# Altium PCB iobrd_dig.PcbDoc
Units mm, origin at the board's own origin, x right, y up, seen from the top; angles counter-clockwise.
Board outline 68.58 x 106.81 mm, 2 copper layers (Top Layer, Bottom Layer), stack 1.671 mm thick; 62 components, 47 nets, 312 pads, 73 vias.
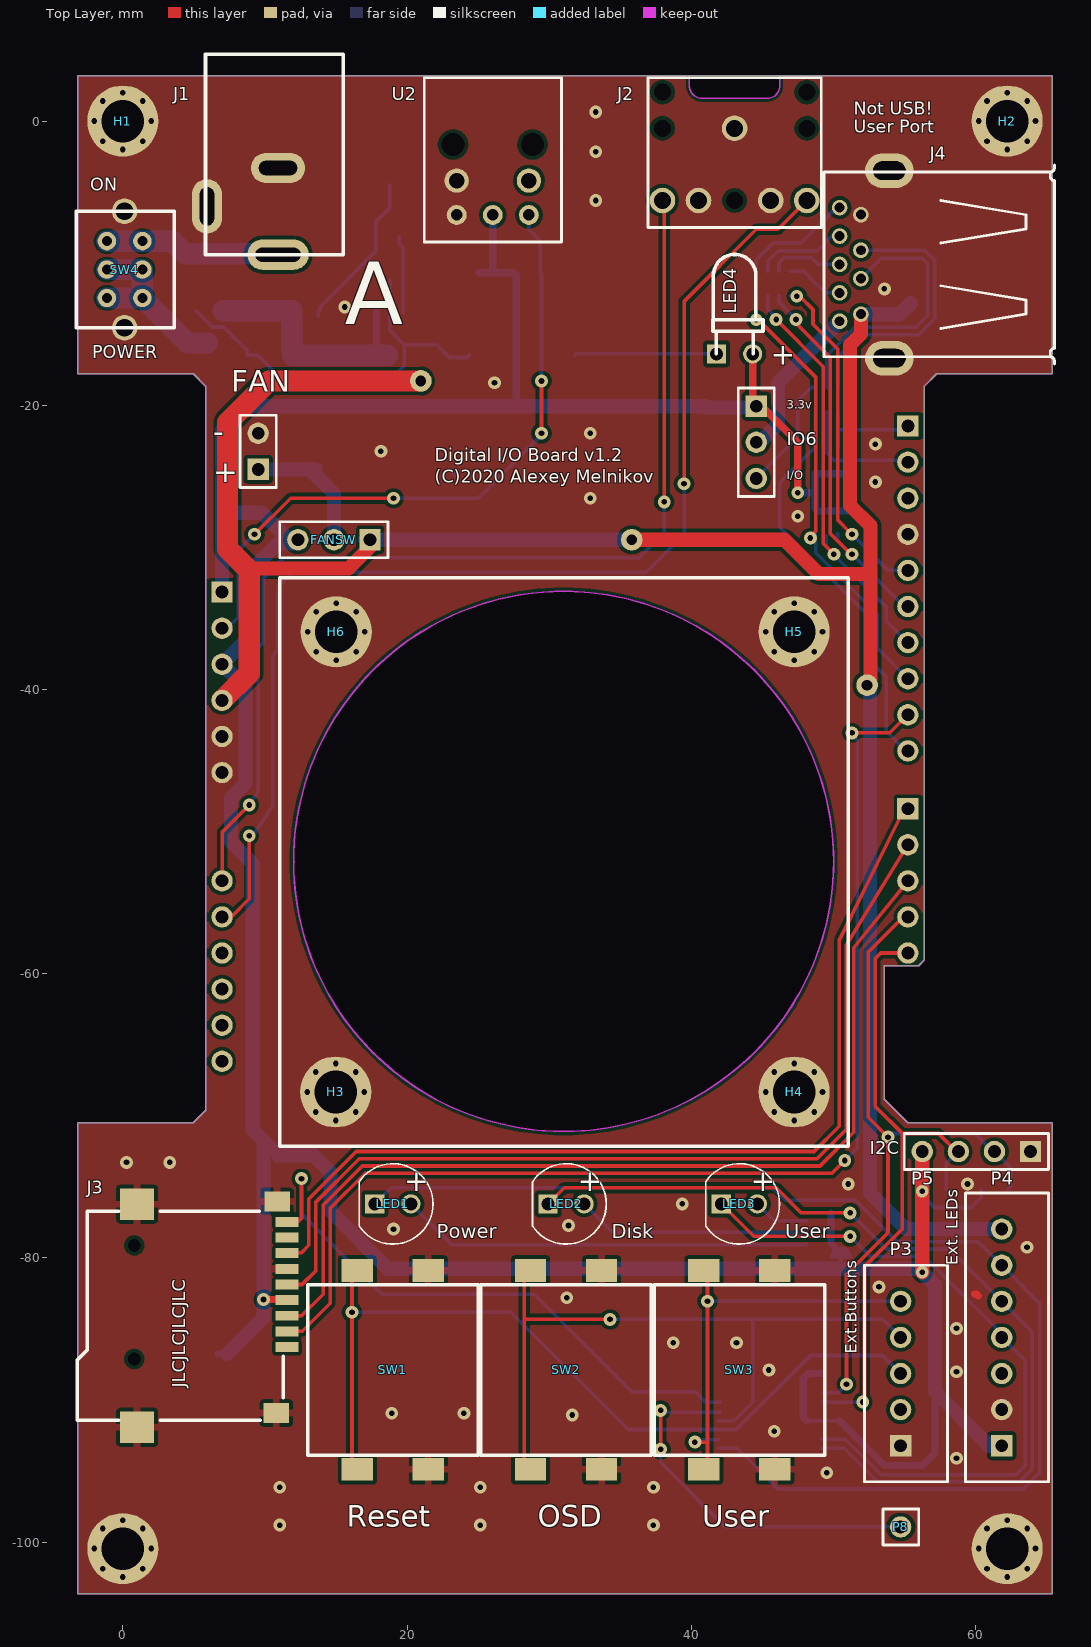
[diagram p0: Top Layer view]
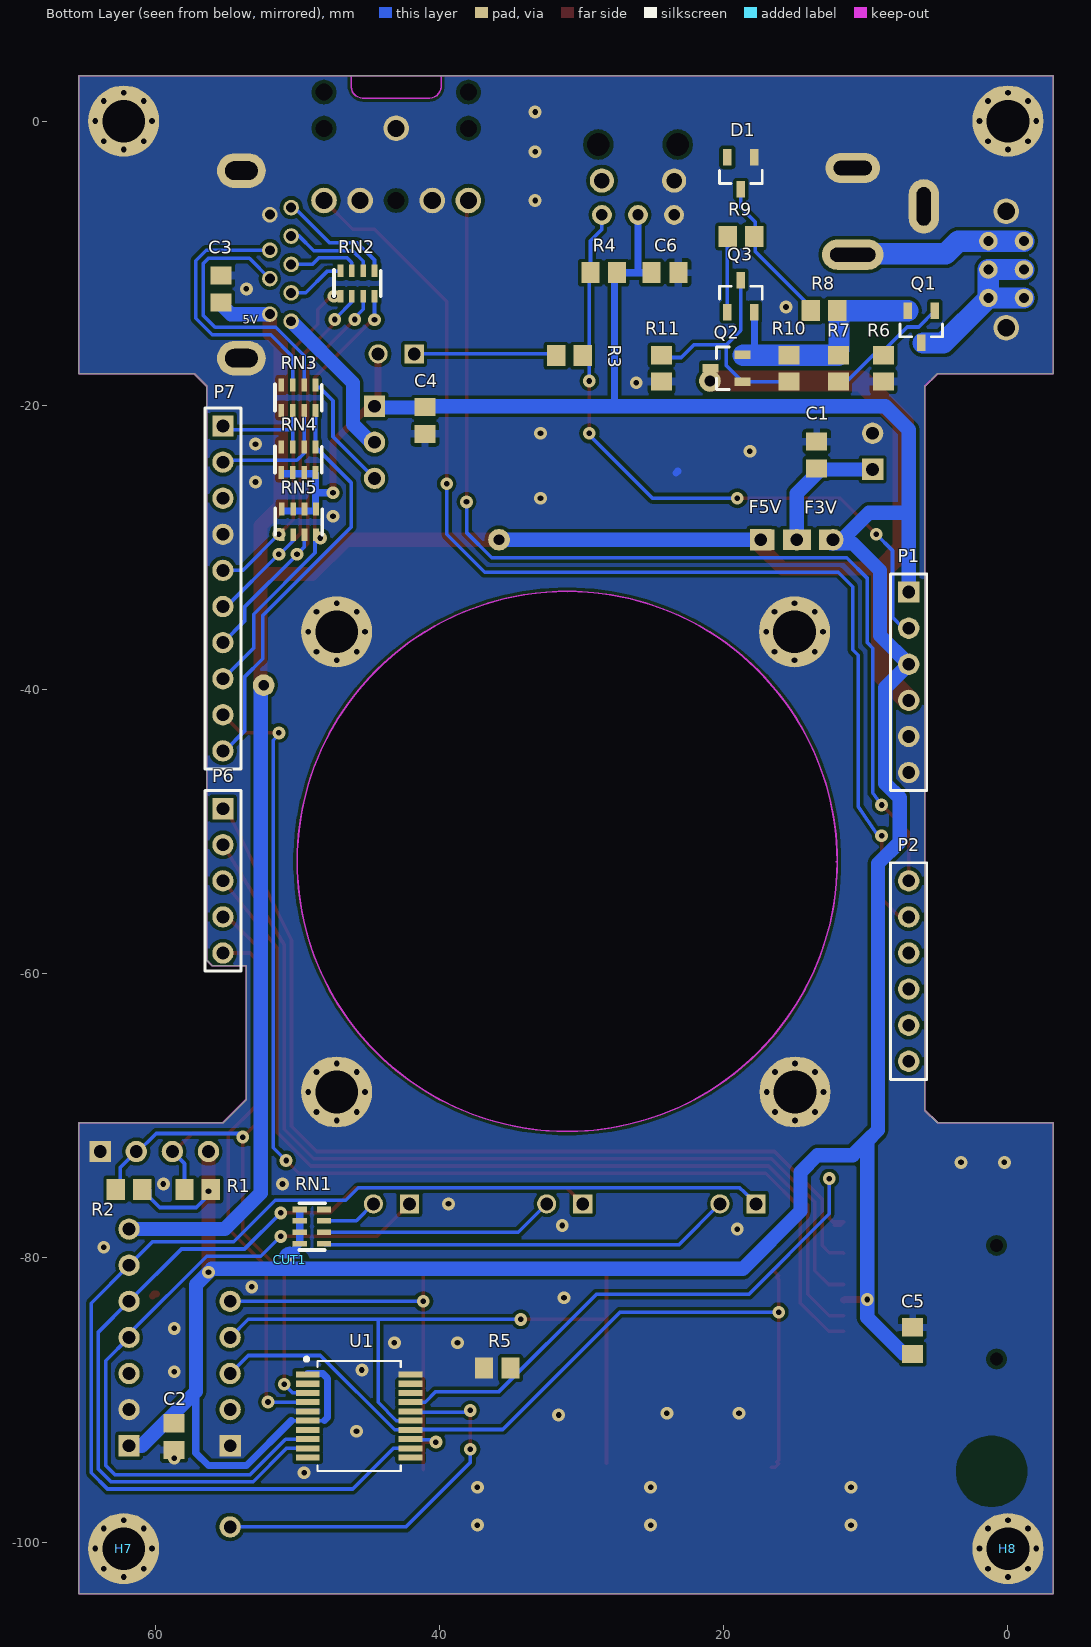
[diagram p1: Bottom Layer view, seen from below]
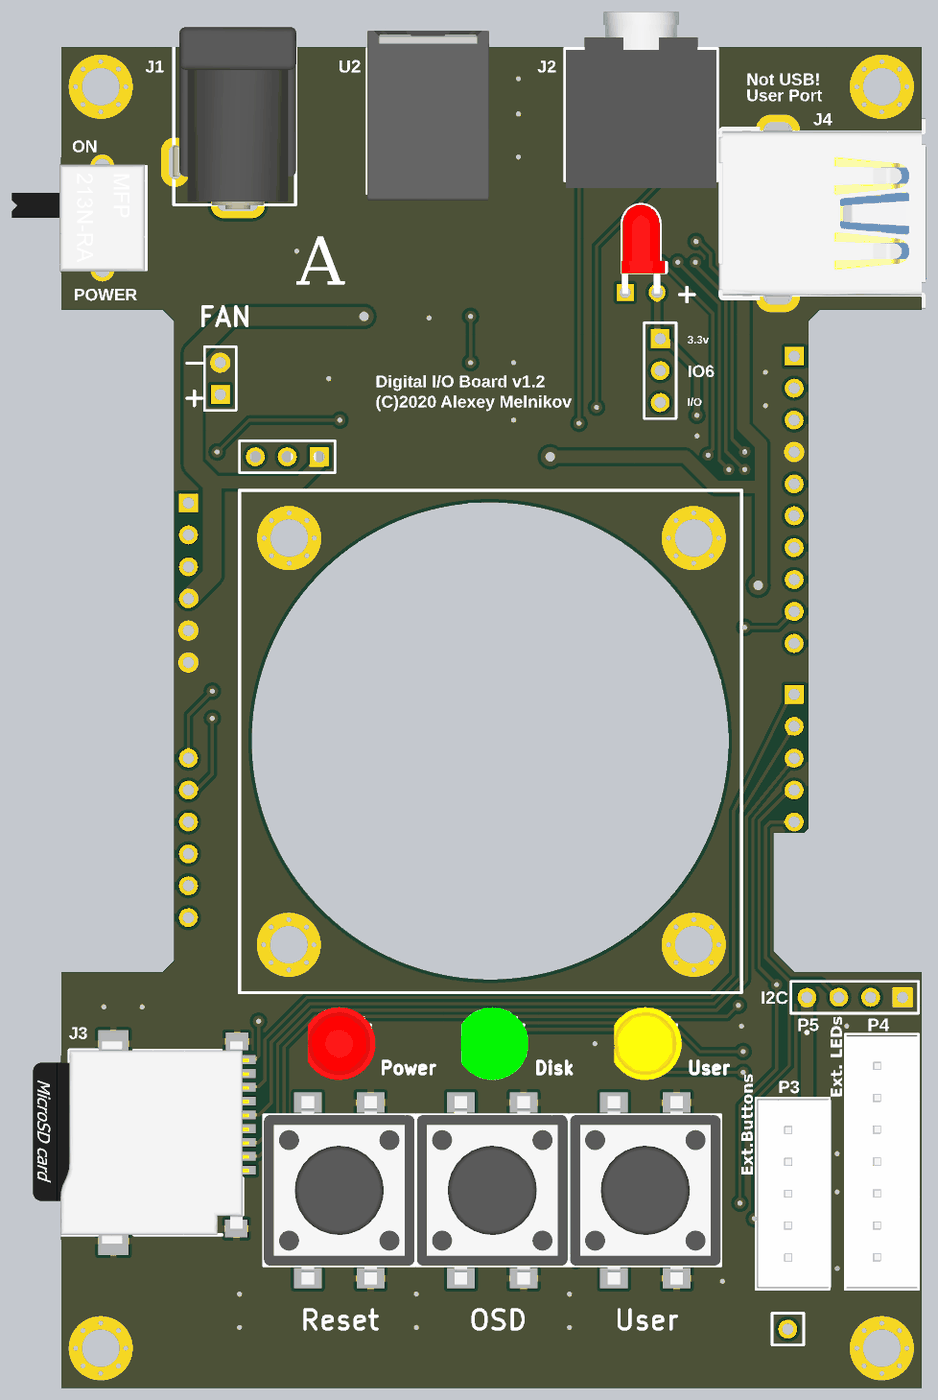
[diagram p2: 3D render of the assembled board from above, using the file's embedded part models]
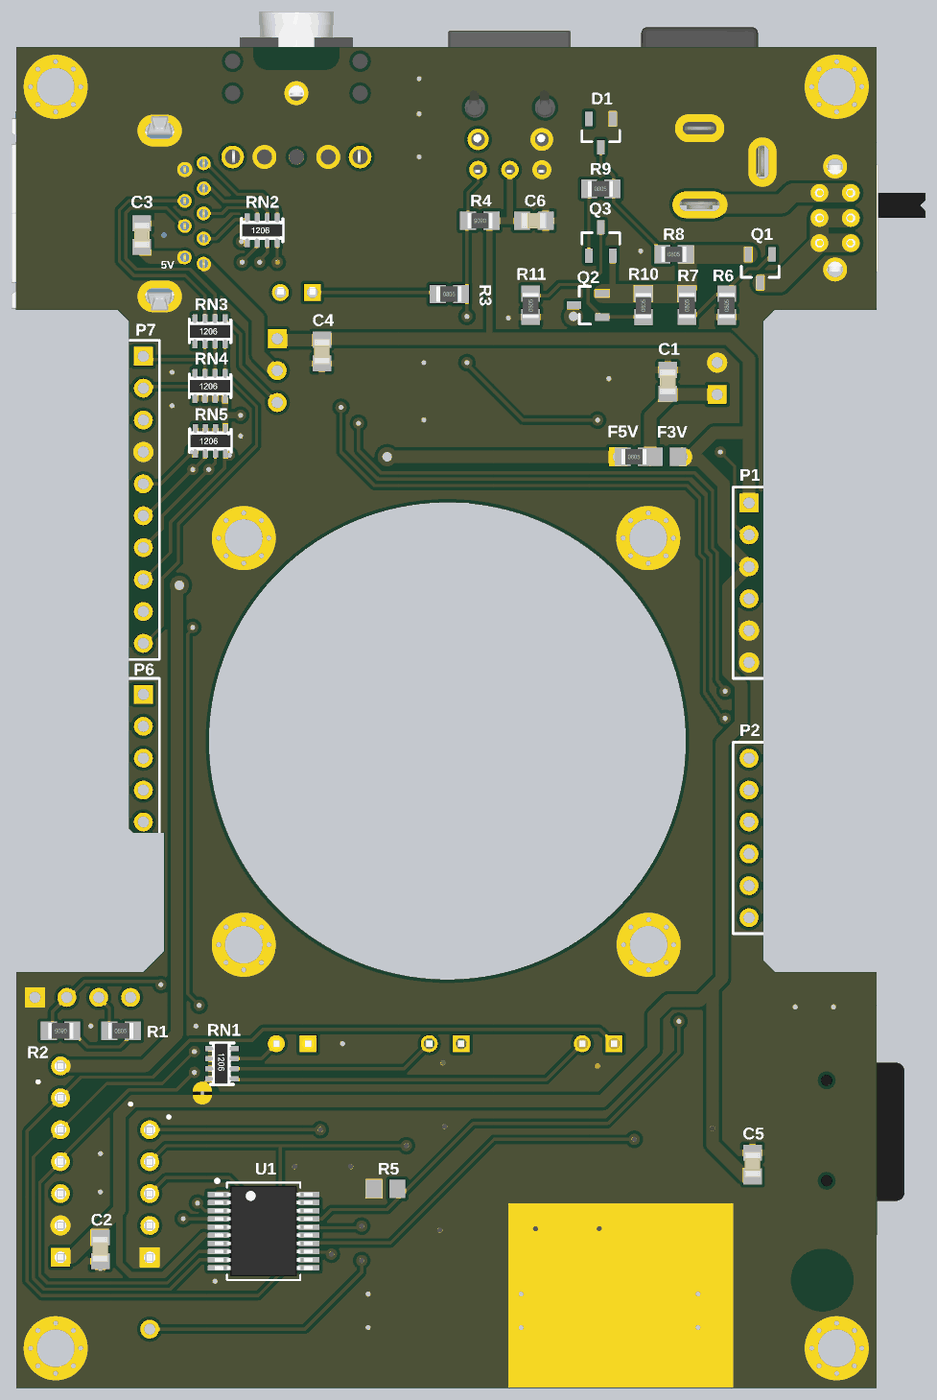
[diagram p3: 3D render of the assembled board from below, using the file's embedded part models]

## Layer stack, top to bottom
Top Solder: solder mask 0.0102, Solder Resist, Dk 3.5
Top Layer: signal copper 0.0356
Dielectric 1: dielectric 1.6, FR-4, Dk 4.8
Bottom Layer: signal copper 0.0356
Bottom Solder: solder mask 0.0102, Solder Resist, Dk 3.5

## Board outline
-3.175,-17.78 4.953,-17.78 5.842,-18.669 5.842,-69.596 4.953,-70.485 -3.175,-70.485 -3.175,-103.632 65.405,-103.632 65.405,-70.485 55.245,-70.485 53.594,-68.834 53.594,-59.436 56.007,-59.436 56.388,-59.055 56.388,-18.669 57.277,-17.78 65.405,-17.78 65.405,3.175 -3.175,3.175
cut-out: 12.02,-52.098 12.02,-52.15 ccw(c31.02,-52.098) 31.02,-71.098 ccw(c31.02,-52.098) 50.02,-52.098 ccw(c31.02,-52.098) 31.02,-33.098 ccw(c31.02,-52.098)
cut-out: 45.339,1.601 ccw(c45.339,2.49) 46.228,2.49 46.228,3.175 39.878,3.175 39.878,2.49 ccw(c40.767,2.49) 40.767,1.601

## Design rules (kind name [scope] priority, off if disabled: settings)
BoardOutlineClearance [All] p1: gap=0 ignorepadtopadclearanceinfootprint=FALSE
Clearance keep-out_Clearance [OnLayer('Keep-Out Layer')] p1: gap=0 ignorepadtopadclearanceinfootprint=TRUE
Clearance [All] p2: gap=0.254 ignorepadtopadclearanceinfootprint=TRUE except(0: Arc-Hole Track-Hole SMDPad-Hole THPad-Hole Via-Hole Fill-Hole Poly-Hole Region-Hole Text-Hole)
ComponentClearance [All] p1 off: gap=0.254 collisioncheckmode=3 verticalgap=0.254 showdistances=FALSE
Height [All] p1 off: minheight=0 maxheight=25.4 prefheight=12.7
HoleSize [All] p1: absolutevalues=TRUE maxlimit=5 minlimit=0.025 maxpercent=80.000 minpercent=20.000
MinimumSolderMaskSliver [All] p1: minsoldermaskwidth=0.127
PolygonConnect PolygonConnect_comp [HasFootprint('C0805')] p1: connectstyle=Relief reliefconductorwidth=0.508 reliefentries=4 polygonreliefangle="90 Angle" airgapwidth=0.254
PolygonConnect PolygonConnect_comp_4 [HasFootprint('R0805')] p2: connectstyle=Relief reliefconductorwidth=0.508 reliefentries=4 polygonreliefangle="90 Angle" airgapwidth=0.254
PolygonConnect PolygonConnect_comp_2 [HasFootprint('microsd')] p3: connectstyle=Relief reliefconductorwidth=0.508 reliefentries=4 polygonreliefangle="90 Angle" airgapwidth=0.254
PolygonConnect PolygonConnect_comp_3 [HasFootprint('tact 12x12')] p4: connectstyle=Relief reliefconductorwidth=0.508 reliefentries=4 polygonreliefangle="90 Angle" airgapwidth=0.254
PolygonConnect PolygonConnect_comp_1 [HasFootprint('TACT_60X35')] p5: connectstyle=Relief reliefconductorwidth=0.508 reliefentries=4 polygonreliefangle="90 Angle" airgapwidth=0.254
PolygonConnect [All] p6: connectstyle=Direct reliefconductorwidth=0.508 reliefentries=4 polygonreliefangle="90 Angle" airgapwidth=0.254
RoutingVias [All] p1: holewidth=0.4 width=0.9 viastyle="Through Hole" minholewidth=0.4 minwidth=0.9 maxholewidth=0.4 maxwidth=1
SilkToSilkClearance [All] p1 off: silktosilkclearance=0.254
SilkToSolderMaskClearance [IsPad] p1 off: minsilkscreentomaskgap=0.254 clearancetoexposedcopper=TRUE
SolderMaskExpansion SolderMaskExpansion_J1 [InComponent('J1')] p1: expansion=0
SolderMaskExpansion [All] p2: expansion=0.051
Width Width_power [InNetClass('power')] p1: maxlimit=2 minlimit=0.254 preferedwidth=0.508 minimp=50.000000 maximp=50.000000 favimp=50.000000
Width Width_signal [All] p2: maxlimit=0.254 minlimit=0.254 preferedwidth=0.254
24 further rules are at their usual default settings.

## Classes and differential pairs
net class power: GND IO6 NetC1_2 NetJ1_2 NetQ1_2 NetQ1_3 VCC VDD

## Components (designator, comment, footprint, x,y, rotation, side; value= is the part's Value field where it differs from the comment)
C1 "C0805" C0805 13.462,-23.495 r270 bottom value=10uF
C2 "C0805" C0805 58.674,-92.583 r90 bottom value=10uF
C3 "C0805" C0805 55.372,-11.811 r270 bottom value=10uF
C4 "C0805" C0805 41.021,-21.082 r90 bottom value=10uF
C5 "C0805" C0805 6.707,-85.828 r270 bottom value=10uF
C6 "C0805" C0805 24.13,-10.668 r0 bottom value=1uF
CUT1 "CUT" CUT 50.546,-80.137 r0 bottom
D1 "BZX84 5V1" SOT-23B_N 18.796,-3.683 r270 bottom
F3V "0" "R0805 - DNI" 13.586,-29.464 r0 bottom
F5V "0" R0805 16.129,-29.464 r180 bottom
FAN "Header 2" HDR1X2 9.525,-24.511 r90 top (schematic designator Fan)
FANSW "Header 3" HDR1X3 17.399,-29.464 r180 top (schematic designator FanSW)
H1 "" M3 0,0 r0 top locked
H2 "" M3 62.23,0 r0 top locked
H3 "" M3 14.986,-68.326 r0 top locked
H4 "" M3 47.244,-68.326 r0 top locked
H5 "" M3 47.244,-35.941 r180 top locked
H6 "" M3 15.018,-35.941 r180 top locked
H7 "" M3 62.23,-100.457 r0 bottom locked
H8 "" M3 0,-100.457 r0 bottom locked
IO6 "Header 3" HDR1X3 44.577,-20.066 r270 top
J1 "*" PWR-2mm 10.922,-9.402 r180 top locked
J2 "Audio" phonejack 43.053,3.048 r0 top locked
J3 "microsd" microsd 0.803,-84.072 r90 top locked
J4 "User Port" USB3-A-F-PTH 56.543,-10.089 r90 top locked
LED1 "Power" LEDR 19.002,-76.2 r0 top locked
LED2 "Disk" LEDG 31.194,-76.2 r0 top locked
LED3 "User" LEDY 43.386,-76.2 r0 top locked
LED4 "spdif" LEDR_angle 43.053,-16.383 r0 top locked
P1 "" HDR1X6#1 6.985,-33.147 r270 bottom locked
P2 "ADC" HDR1X6#2 6.985,-53.467 r270 bottom locked
P3 "Ext.Buttons" HDR5 54.737,-93.218 r90 top locked
P4 "Ext. LEDs" HDR7 61.849,-93.218 r90 top locked
P5 "I2C" HDR1X4 63.881,-72.517 r180 top
P6 "Header 5" HDR1X5 55.245,-48.387 r270 bottom locked
P7 "Header 10" HDR1X10 55.245,-21.463 r270 bottom locked
P8 "Header 1" "Header 1" 54.737,-98.933 r180 top
Q1 "AO3415" SOT-23B_N 6.096,-14.478 r270 bottom
Q2 "AO3415" SOT-23B_N 19.812,-17.399 r0 bottom
Q3 "HE8550" SOT-23B_N 18.796,-12.319 r90 bottom
R1 "1K" R0805 57.023,-75.184 r180 bottom
R2 "1K" R0805 61.849,-75.184 r0 bottom
R3 "200" R0805 30.861,-16.51 r180 bottom
R4 "1K" R0805 28.448,-10.668 r0 bottom
R5 "1K" "R0805 - DNI" 35.941,-87.757 r0 bottom
R6 "30K" R0805 8.763,-17.399 r90 bottom
R7 "30K" R0805 11.938,-17.399 r90 bottom
R8 "330" R0805 12.954,-13.335 r180 bottom
R9 "6.8K" R0805 18.796,-8.128 r180 bottom
R10 "100K" R0805 15.401,-17.403 r90 bottom
R11 "6.8K" R0805 24.384,-17.399 r90 bottom
RN1 "560" RA1206#1 48.982,-78.996 r0 bottom
RN2 "100" RA1206#2 44.577,-11.43 r270 bottom
RN3 "100" RA1206#2 48.73,-19.47 r270 bottom
RN4 "10K" RA1206#2 48.73,-23.837 r270 bottom
RN5 "10K" RA1206#2 48.7,-28.205 r270 bottom
SW1 "Reset" "tact 12x12" 19.002,-87.884 r0 top locked
SW2 "OSD" "tact 12x12" 31.194,-87.884 r0 top locked
SW3 "User" "tact 12x12" 43.386,-87.884 r0 top locked
SW4 "POWER" "SW DPDT" 0.127,-10.45 r0 top locked
U1 "MCP23009-E/SS" SSOP20_MC 45.659,-91.13 r180 bottom value=Value
U2 "FC684208T" TOSLINK 26.035,-6.604 r0 top locked

## Footprints (in the part's own frame and the unit in brackets; to place one, negate y for a bottom-side part, rotate by r counter-clockwise, add the part's x,y. Pads: shape width x height; smd on the part's side, far side on the other; paste and mask are expansions set on the pad)
C0805 [mm] "Capacitor, Chip; 2.35 mm L X 1.35 mm W X 1.00 mm H body"
  rect 1.27x1.48 smd: 1(-0.945,0) 2(0.945,0)
  body extent -1,-0.63 1,0.63, height 0.58
CUT [mil]
  rect 10x10 smd mask+0: 1(0,0)
  Top Layer region: -29.94,-5 -27.26,-18.33 -18.97,-29.11 -6.77,-35.12 6.83,-35.12 19.03,-29.11 27.32,-18.33 30,-5 30,-5 5,-5 5,5 30,5 27.17,18.17 18.87,28.77 6.76,34.67 -6.71,34.67 -18.82,28.77 -27.12,18.17 -29.95,5 -29.95,5 -5,5 -5,-5
  Top Layer pour cut-out: -30,-25 -39.57,-23.1 -47.68,-17.68 -53.1,-9.57 -55,0 -55,0 -53.1,9.57 -47.68,17.68 -39.57,23.1 -30,25 -30,25 -20.43,23.1 -12.32,17.68 -6.9,9.57 -5,0 -5,0 -6.9,-9.57 -12.32,-17.68 -20.43,-23.1 -30,-25
  Top Layer pour cut-out: 30,-25 20.43,-23.1 12.32,-17.68 6.9,-9.57 5,0 5,0 6.9,9.57 12.32,17.68 20.43,23.1 30,25 30,25 39.57,23.1 47.68,17.68 53.1,9.57 55,0 55,0 53.1,-9.57 47.68,-17.68 39.57,-23.1 30,-25
HDR1X2 [mm] "Connector; Header; 2 Position"
  rect 1.5x1.5 hole 0.9: 1(0,0)
  round 1.5 hole 0.9: 2(2.54,0)
  silkscreen extent -1.27,-1.27 3.81,1.27
HDR1X3 [mm] "Connector; Header; 3 Position"
  rect 1.5x1.5 hole 0.9: 1(0,0)
  round 1.5 hole 0.9: 2(2.54,0) 3(5.08,0)
  silkscreen extent -1.27,-1.27 6.35,1.27
HDR1X4 [mm] "Connector; Header; 4 Position"
  rect 1.5x1.5 hole 0.9: 1(0,0)
  round 1.5 hole 0.9: 2(2.54,0) 3(5.08,0) 4(7.62,0)
  silkscreen extent -1.27,-1.27 8.89,1.27
HDR1X5 [mm] "Connector; Header; 5 Position"
  rect 1.5x1.5 hole 0.9: 1(0,0)
  round 1.5 hole 0.9: 2(2.54,0) 3(5.08,0) 4(7.62,0) 5(10.16,0)
  silkscreen extent -1.27,-1.27 11.43,1.27
HDR1X6#1 [mm] "Connector; Header; 6 Position"
  rect 1.5x1.5 hole 0.9: 1(0,0)
  round 1.5 hole 0.9: 2(2.54,0) 3(5.08,0) 4(7.62,0) 5(10.16,0) 6(12.7,0)
  silkscreen extent -1.27,-1.27 13.97,1.27
HDR1X6#2 [mm] "Connector; Header; 6 Position"
  round 1.5 hole 0.9: 1(0,0) 2(2.54,0) 3(5.08,0) 4(7.62,0) 5(10.16,0) 6(12.7,0)
  silkscreen extent -1.27,-1.27 13.97,1.27
HDR1X10 [mm] "Connector; Header; 10 Position"
  rect 1.5x1.5 hole 0.9: 1(0,0)
  round 1.5 hole 0.9: 2(2.54,0) 3(5.08,0) 4(7.62,0) 5(10.16,0) 6(12.7,0) 7(15.24,0) 8(17.78,0) 9(20.32,0) 10(22.86,0)
  silkscreen extent -1.27,-1.27 24.13,1.27
HDR5 [mm]
  rect 1.5x1.5 hole 0.9: 1(0,0)
  round 1.5 hole 0.9: 2(2.54,0) 3(5.08,0) 4(7.62,0) 5(10.16,0)
  silkscreen extent -2.54,-3.3 12.7,2.54, body extent -2.38,-3.43 12.52,2.37, height 7.01
HDR7 [mm]
  rect 1.5x1.5 hole 0.9: 1(0,0)
  round 1.5 hole 0.9: 2(2.54,0) 3(5.08,0) 4(7.62,0) 5(10.16,0) 6(12.7,0) 7(15.24,0)
  silkscreen extent -2.54,-3.3 17.78,2.54, body extent -2.37,-3.37 17.61,2.43, height 7.02
"Header 1" [mm]
  round 1.5 hole 0.9: 1(0,0)
  silkscreen extent -1.27,-1.27 1.25,1.27
LEDG [mm] "Radial (LED); 2.54 mm C X 5.65 mm Dia X 9.00 mm H body"
  rect 1.35x1.35 hole 0.9 paste-1.35: 1(-1.27,0)
  round 1.35 hole 0.9 paste-1.35: 2(1.27,0)
  silkscreen extent -2.36,-2.83 2.83,2.83, body extent -2.49,-2.9 2.9,2.9, height 8.01
LEDR [mm] "Radial (LED); 2.54 mm C X 5.65 mm Dia X 9.00 mm H body"
  rect 1.35x1.35 hole 0.9 paste-1.35: 1(-1.27,0)
  round 1.35 hole 0.9 paste-1.35: 2(1.27,0)
  silkscreen extent -2.36,-2.83 2.83,2.83, body extent -2.49,-2.9 2.9,2.9, height 8.01
LEDR_angle [mm] "Radial (LED); 2.54 mm C X 5.65 mm Dia X 9.00 mm H body"
  rect 1.35x1.35 hole 0.9 paste-1.35: 1(-1.27,0)
  round 1.35 hole 0.9 paste-1.35: 2(1.27,0)
  silkscreen extent -1.52,0.03 2,7, body extent -1.6,-0.21 1.9,7, height 3.9
LEDY [mm] "Radial (LED); 2.54 mm C X 5.65 mm Dia X 9.00 mm H body"
  rect 1.35x1.35 hole 0.9 paste-1.35: 1(-1.27,0)
  round 1.35 hole 0.9 paste-1.35: 2(1.27,0)
  silkscreen extent -2.36,-2.83 2.83,2.83, body extent -2.49,-2.9 2.9,2.9, height 8.01
M3 [mm] "Mounting Hole, Plated; 5.00 mm Pad, 3.00 mm Hole (with 8 vias)"
  round 0.6 hole 0.4 paste-0.6 mask-0.6: 1(-2,0) 1(-1.41,-1.41) 1(-1.41,1.41) 1(0,-2) 1(1.41,-1.41) 1(1.41,1.41) 1(2,0)
  round 5 hole 3: 1(0,0)
  round 0.6 hole 0.4 paste-0.4 mask-0.4: 1(0,2)
microsd [mm]
  rect 0.7x1.6 smd: 1(-2.2,-10.75) 2(-1.1,-10.75) 3(0,-10.75) 4(1.1,-10.75) 5(2.2,-10.75) 6(3.3,-10.75) 7(4.4,-10.75) 8(5.5,-10.75) 9(6.6,-10.75)
  rect 1.4x1.8 smd: 10(8.05,-10.05) 13(-6.85,-10)
  rect 2.2x2.4 smd: 11(7.85,-0.2) 12(-7.85,-0.2)
  round 0 hole 0.9 unplated mask-0.9: ""(-3.05,0) ""(4.95,0)
  silkscreen extent -7.37,-10.5 7.37,4, body extent -8.05,-11 8.05,6.2, height 2.2
phonejack [mm]
  round 1.8 hole 1.2: 1(0,-3.556) 2(-5.08,-8.636) 3(2.54,-8.636) 4(5.08,-8.636) 5(-2.54,-8.636)
  round 1 hole 1.2 unplated: ""(-5.08,-3.556) ""(-5.08,-1.016) ""(5.08,-3.556) ""(5.08,-1.016)
  round 1 hole 1.2: ""(0,-8.636)
  silkscreen extent -6.1,-10.54 6.1,0, body extent -6,-11.1 6,2.9, height 5.53
PWR-2mm [mm] "Power Socket 2mm"
  oval 3.829x2.129 hole 1 slot 2.7 at 0 deg: 1(0,-6.1)
  oval 4.329x2.129 hole 1 slot 3.2 at 0 deg: 2(0,0)
  oval 2.129x3.829 hole 1 slot 2.7 at 90 deg: 3(5,-3.4)
  silkscreen extent -4.6,-14.1 5.1,0, body extent -4.65,-14.15 5.15,0.35, height 11
R0805 [mm] "Resistor, Chip; 2.32 mm L X 1.25 mm W X 1.00 mm H body"
  rect 1.29x1.47 smd: 1(-0.93,0) 2(0.93,0)
  body extent -1.03,-0.63 0.97,0.63, height 0.42
"R0805 - DNI" [mm] "Resistor, Chip; 2.32 mm L X 1.25 mm W X 1.00 mm H body"
  rect 1.29x1.47 smd: 1(-0.93,0) 2(0.93,0)
RA1206#1 [mm] "Resistor Array, 1206"
  rect 1x0.4 smd: 1(-0.85,0) 2(0.85,0) 3(-0.85,-0.8) 4(0.85,-0.8) 5(-0.85,-1.6) 6(0.85,-1.6) 7(-0.85,-2.4) 8(0.85,-2.4)
  silkscreen extent -0.95,-2.85 0.9,0.45, body extent -0.75,-2.8 0.85,0.4, height 0.48
RA1206#2 [mm] "Resistor Array, 1206"
  rect 0.9x0.4 smd: 1(-0.9,0) 2(0.9,0) 3(-0.9,-0.8) 4(0.9,-0.8) 5(-0.9,-1.6) 6(0.9,-1.6) 7(-0.9,-2.4) 8(0.9,-2.4)
  silkscreen extent -0.95,-2.85 0.9,0.45, body extent -0.8,-2.8 0.8,0.4, height 0.48
SOT-23B_N [mm] "SOT23, 3-Leads, Body 2.9x1.3mm, Pitch 0.95mm, Lead Span 2.4mm, IPC Medium Density"
  rect 1.15x0.6 smd: 1(-1.125,0.95) 2(-1.125,-0.95) 3(1.125,0)
  silkscreen extent -0.2,-1.5 0.7,1.5, body extent -0.7,-1.5 0.7,1.5, height 1.14
SSOP20_MC [mil]
  rect 66x17 smd paste+0 mask+0: 1(-142.42,115.16) 2(-142.42,89.57) 3(-142.42,63.98) 4(-142.42,38.39) 5(-142.42,12.8) 6(-142.42,-12.8) 7(-142.42,-38.39) 8(-142.42,-63.98) 9(-142.42,-89.57) 10(-142.42,-115.16) 11(142.42,-115.16) 12(142.42,-89.57) 13(142.42,-63.98) 14(142.42,-38.39) 15(142.42,-12.8) 16(142.42,12.8) 17(142.42,38.39) 18(142.42,63.98) 19(142.42,89.57) 20(142.42,115.16)
  silkscreen extent -151,-153 115,162, body extent -154,-142 154,142, height 75
"SW DPDT" [mm]
  round 1.3 hole 0.7: 1(-1.25,2) 2(-1.25,0) 3(-1.25,-2) 4(1.25,-2) 5(1.25,0) 6(1.25,2)
  round 1.8 hole 1.25: 7(0,-4.1) 7(0,4.1)
  silkscreen extent -3.4,-4.1 3.5,4.1, body extent -7.2,-4.25 3.4,4.25, height 4.7
"tact 12x12" [mm]
  rect 2.2x1.6 smd: 1(-2.5,7) 2(2.5,7) 3(-2.5,-7) 4(2.5,-7)
  silkscreen extent -6,-6 6,6, body extent -6,-7.5 6,7.5, height 5.3